# Altium PCB RFFE.PcbDoc (part 3 of 7) (continued)
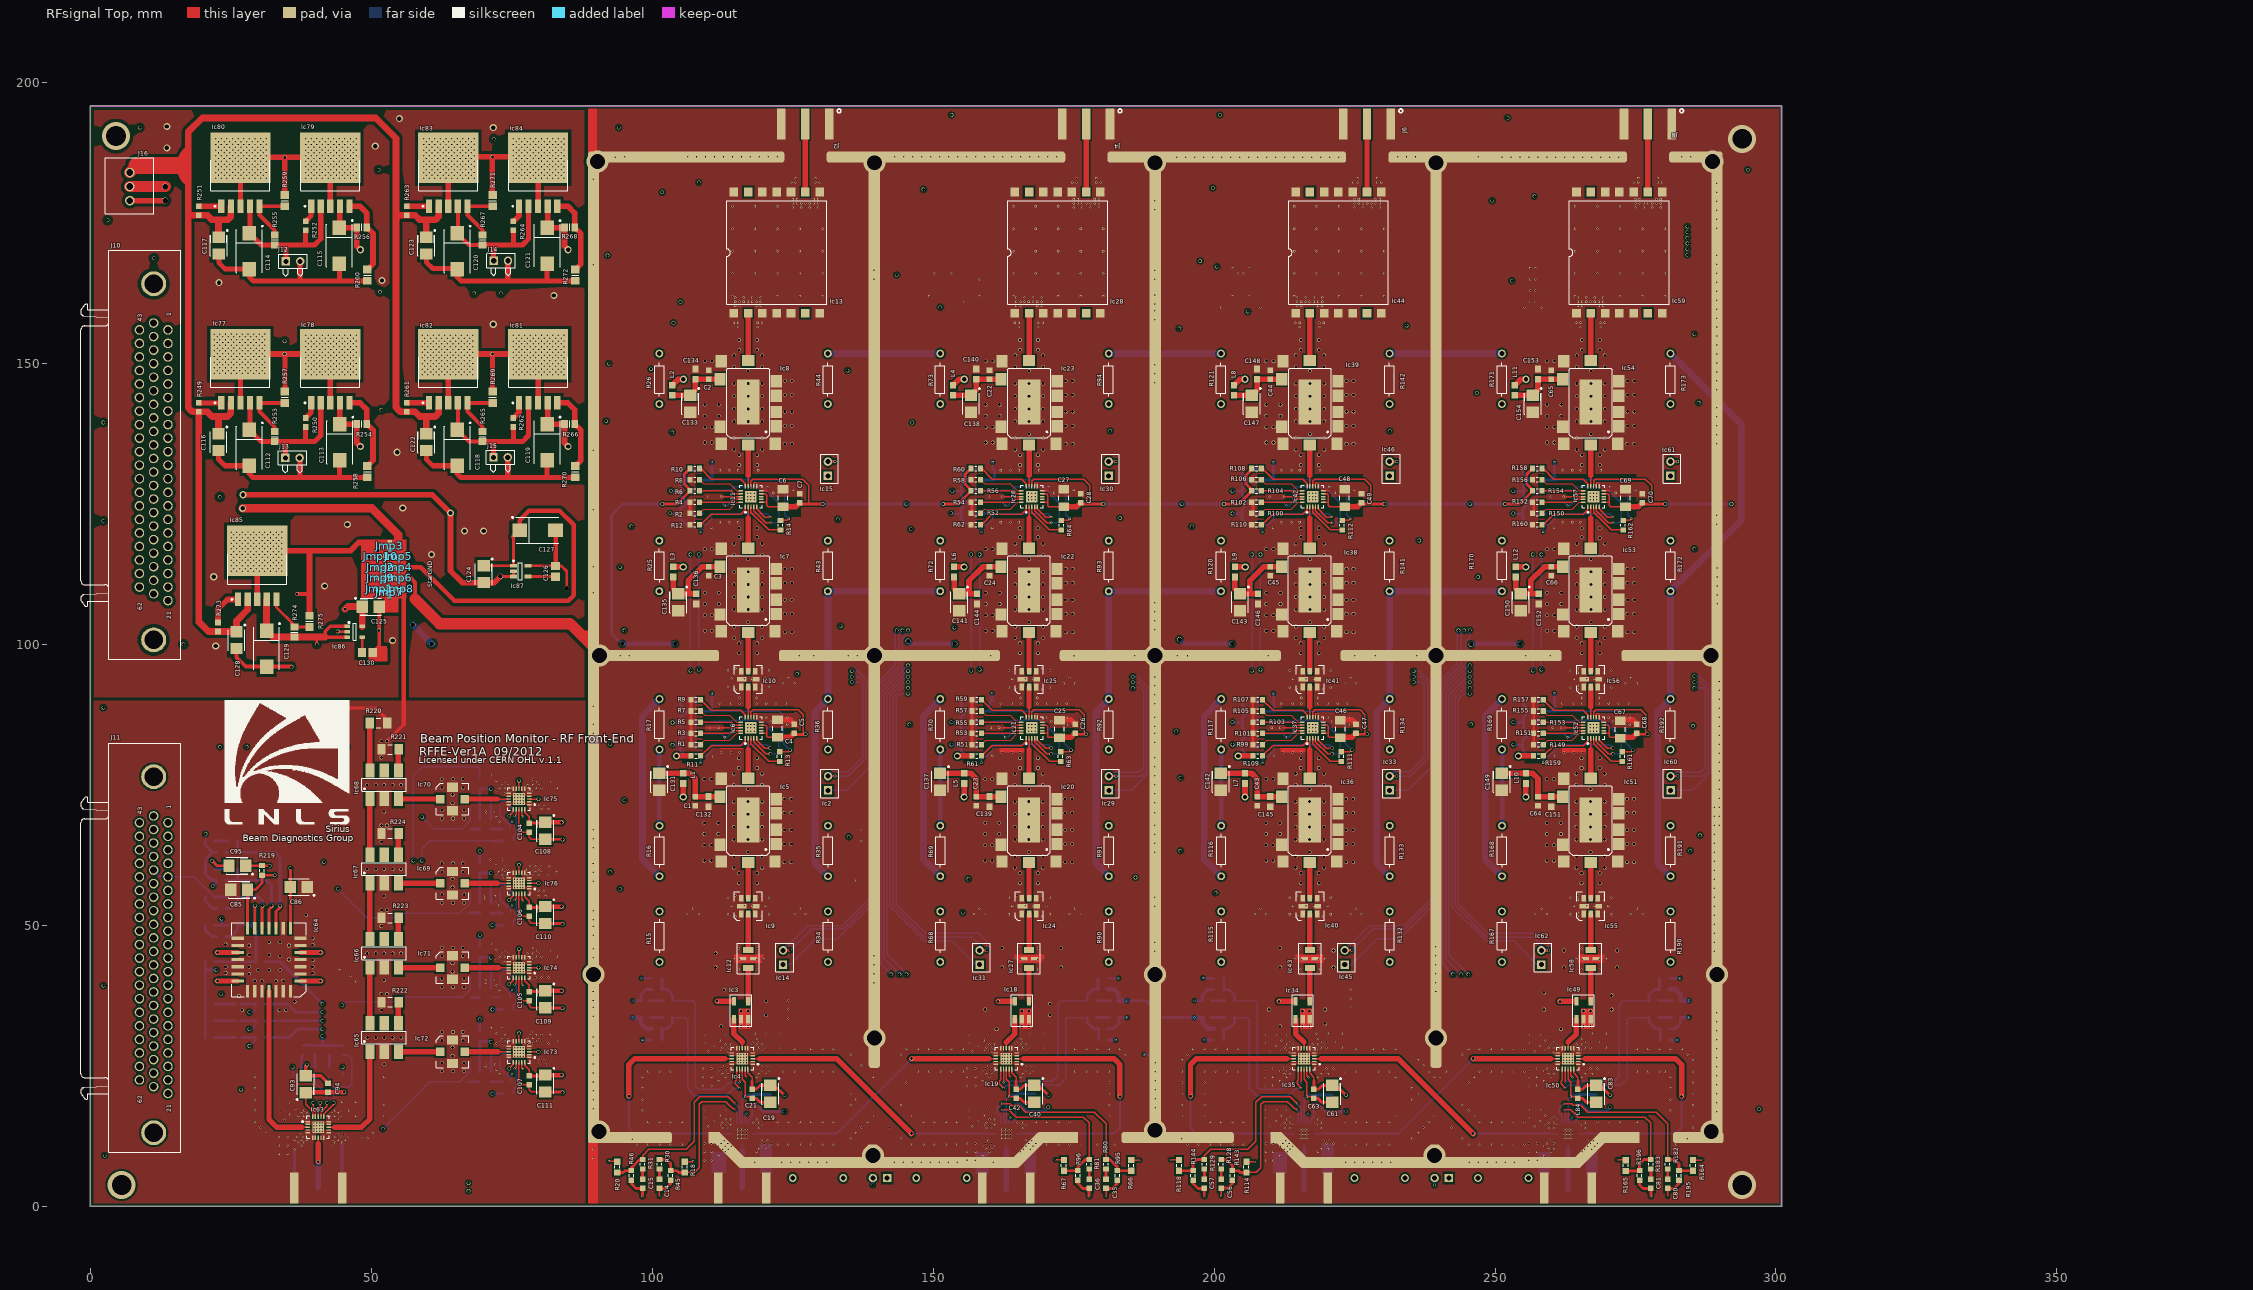
[diagram p0: RFsignal Top view]
## Nets (pads, with @x,y where several pads share a name; then routed paths per layer and width w, separated by ;. In a path a pad name is that pad's centre, name@x,y a point inside that pad or via, vN(x,y) a via of type N, cw(c..) or ccw(c..) an arc to the next point about the centre after c; other vN are vias at no path point) (continued)
NetIc1_3: Ic1.3 Ic19.13 | length 48.8
  RFsignal Top w0.254: 159.9,26.25 Ic19.13@161.155,26.25
  RFsignal Top w0.965: v8(146.12,26.25) 159.9,26.25
  RFsignal Bottom w0.254: Ic1.3@117.845,12.9 119.15,12.9
  RFsignal Bottom w0.381: 119.15,12.9 132.77,12.9 v8(146.12,26.25)
NetIc1_8: Ic1.8 J1.5 | length 7.8
  RFsignal Bottom w0.25: 116,9.845 Ic1.8@116,11.055
  RFsignal Bottom w0.965: J1.5@116.001,3.25 116.001,9.844
NetIc1_13: Ic1.13 Ic4.13 | length 48.8
  RFsignal Top w0.254: 112.9,26.25 Ic4.13@114.155,26.25
  RFsignal Top w0.965: v8@95.79,19.58 95.79,25.19 96.85,26.25 112.9,26.25
  RFsignal Bottom w0.254: 112.85,12.9 Ic1.13@114.155,12.9
  RFsignal Bottom w0.381: v8(95.8,19.57) 95.8,13.95 96.85,12.9 112.85,12.9
NetIc1_16: Ic1.16 R18.1 R30.2 R45.2 | length 30.1
  RFsignal Top w0.254: R18.1@105.75,6 107.5,6 108.3,6.8 108.3,18.1 108.8,18.6 113.05,18.6 113.788,17.862 113.788,17.852 114.352,17.288 114.612,17.288 v3(114.75,17.15)
  RFsignal Top w0.508: R30.2@101.25,8.3 102.495,8.3 103.25,7.545 R45.2@103.25,6.3 104.38,6.3 104.68,6 R18.1@105.75,6
  RFsignal Bottom w0.254: v3(114.75,17.15) 115,16.9 Ic1.16@115,14.745
NetIc1_17: Ic1.17 R20.1 R31.2 R46.2 | length 35.7
  RFsignal Top w0.254: R31.2@98.25,8.3 98.25,8.992 99.358,10.1 106,10.1 107.411,11.511 107.411,18.468 108.432,19.489 113.511,19.489 v3(114.75,18.25)
  RFsignal Top w0.508: R20.1@93.75,6 94.834,6 95.134,6.3 R46.2@96.25,6.3 96.25,6.825 97.725,8.3 R31.2@98.25,8.3
  RFsignal Bottom w0.254: v3(114.75,18.25) 115.5,17.5 Ic1.17@115.5,14.745
NetIc2_1: Ic2.1 J10.38 | length 258.5
  CallTone RF w0.127: J10.38@11.21,118.645 14.337,118.645
  CallTone RF w0.254: 14.337,118.645 16.905,118.645 18.172,119.912 18.172,125.321 21.923,129.072 88.796,129.072 95.492,135.768 95.492,159.783 99.389,163.68 131.191,163.68 139.401,155.47 139.401,103.362 134.183,98.145 ; 134.19,98.138 134.13,98.078 134.13,96.619 v2(135.5,95.25)
  RFsignal Bottom w0.254: Ic2.1@131.25,74 134.49,74 138.53,78.04 138.53,93.259 136.539,95.25 v2(135.5,95.25)
NetIc2_2: Ic2.2 Ic2.3 J10.17 J10.39 | length 507
  CallTone RF w0.127: J10.39@11.21,116.235 14.337,116.235
  CallTone RF w0.254: J10.17@13.75,117.44 16.933,117.44 18.716,119.223 18.716,125.095 22.149,128.528 89.021,128.528 96.036,135.543 96.036,159.557 99.615,163.136 130.966,163.136 138.857,155.245 138.857,103.588 133.518,98.249 133.518,96.232 v2(135.5,94.25) ; 14.337,116.235 17.015,116.235 19.26,118.48 19.26,124.87 22.374,127.984 89.246,127.984 96.58,135.318 96.58,159.332 99.84,162.592 130.741,162.592 138.313,155.02 138.313,103.813 132.821,98.321 132.821,95.929 v2(135.5,93.25)
  RFsignal Bottom w0.254: Ic2.2@131.25,76.54 132.05,77.34 134.887,77.34 137.442,79.895 137.442,92.808 137,93.25 v2(135.5,93.25) ; Ic2.3@132.52,76.56 134.876,76.56 137.986,79.67 137.986,93.033 136.769,94.25 v2(135.5,94.25)
NetIc3_3: Ic3.3 Ic4.8 | length 5.8
  RFsignal Top w0.25: Ic4.8@116,28.095 116,29.18
  RFsignal Top w0.965: Ic3.3@114.5,33.3 114.5,30.68 116,29.18
NetIc3_4: Ic3.4 Ic73.8 | length 42.9
  RFsignal Top w0.254: Ic73.8@76.24,29.315 v2@76.24,30.74
  RFsignal Top w0.965: v2(111.5,36.5) Ic3.4@114.25,36.5
  CallTone RF w0.254: v2(76.25,30.75) 77.7,32.2 109,32.2 111.5,34.7 v2(111.5,36.5)
NetIc3_6: Ic3.6 Ic12.1 | length 5.9
  RFsignal Top w0.965: Ic3.6@117.04,36.45 117.04,42.36 Ic12.1@117.05,42.37
NetIc4_3: Ic4.3 Ic17.13 | length 48.8
  RFsignal Top w0.254: Ic4.3@117.845,26.25 119.1,26.25
  RFsignal Top w0.965: 119.1,26.25 132.74,26.25 v8(146.09,12.9)
  RFsignal Bottom w0.254: 159.85,12.9 Ic17.13@161.155,12.9
  RFsignal Bottom w0.381: v8(146.09,12.9) 159.85,12.9
NetIc4_16: Ic4.16 R21.2 R32.2 R47.2 | length 34.5
  RFsignal Top w0.254: Ic4.16@115,24.405 115,22.5 114.75,22.25 114.75,21.75 v3(115.5,21)
  RFsignal Bottom w0.254: R32.2@103.6,33.57 105.88,33.57 106.25,33.2 106.25,20.95 107.55,19.65 113.15,19.65 114.5,21 v3(115.5,21)
  RFsignal Bottom w0.508: R47.2@101.6,31.57 102.57,31.57 103.6,32.6 R32.2@103.6,33.57 ; R21.2@101.7,29.57 R47.2@101.7,31.47
NetIc4_17: Ic4.17 R19.2 R33.2 R48.2 | length 35.4
  RFsignal Top w0.254: v3(115.5,22) Ic4.17@115.5,24.405
  RFsignal Bottom w0.254: R33.2@103.6,36.57 107.23,36.57 107.65,36.15 107.65,21.3 108.15,20.8 112.4,20.8 113.6,22 v3(115.5,22)
  RFsignal Bottom w0.508: R48.2@101.6,38.57 102.63,38.57 103.6,37.6 R33.2@103.6,36.57 ; R48.2@101.7,38.67 R19.2@101.7,40.57
NetIc5_5: Ic5.5 Ic6.2 | length 7.1
  RFsignal Top w0.254: 117.04,81.25 Ic6.2@117.04,83.305
  RFsignal Top w0.965: Ic5.5@117.04,76.16 117.04,81.25
NetIc5_10: Ic5.10 Ic9.6 | length 6.3
  RFsignal Top w0.965: Ic9.6@117.045,54.86 Ic5.10@117.045,61.155
NetIc6_1: Ic6.1 R11.2 | length 9.6
  RFsignal Top w0.254: R11.2@108.59,80.15 110.44,82 115.75,82 116.54,82.79 Ic6.1@116.54,83.305
NetIc6_3: Ic6.3 R13.2 | length 7.4
  RFsignal Top w0.254: Ic6.3@117.54,83.305 117.54,82.34 120.69,79.19 R13.2@122.66,79.19
NetIc6_4: Ic6.4 Ic11.4 J11.54 R23.2 R28.2 R38.2 R41.2 | length 269.1
  RFsignal Top w0.254: Ic6.4@118.04,83.305 118.04,82.64 120.18,80.5 v2(121,80.5) ; Ic11.4@118.04,124.475 118.04,123.81 120.18,121.67 v4(121,121.67)
  Digital signal w0.254: J11.54@8.67,41.74 2.507,47.903 2.507,83.737 11.992,93.222 66.022,93.222 87.79,114.99 107.24,114.99 v2(108.25,116) 108.25,116.97 112.88,121.6 v4(112.88,124.71) ; v2(108.25,95.5) 112.88,90.87 v4(112.88,83.47)
  RFsignal Bottom w0.254: v2(108.25,95.5) 108.25,97.5 v2(108.25,116) ; R38.2@108.6,84.1 112.25,84.1 v4(112.88,83.47) 113.28,83.47 114,84.19 114,86.3 ; R41.2@108.6,125.27 112.32,125.27 v4(112.88,124.71) 113.35,124.71 114,125.36 114,127.47 ; R23.2@110.6,86.1 110.8,86.3 114,86.3 ; R28.2@110.8,127.47 114,127.47 ; v2(121,80.5) 122.15,80.5 122.45,80.8 122.45,83.3 119.25,86.5 114.2,86.5 114,86.3 ; v4(121,121.67) 122.15,121.67 122.45,121.97 122.45,125.17 119.58,128.04 114.57,128.04 114,127.47
NetIc6_5: Ic6.5 Ic11.5 J11.55 R24.2 R29.2 R39.2 R42.2 | length 245.5
  RFsignal Top w0.254: Ic6.5@118.54,83.305 118.54,82.94 119.98,81.5 v2(121,81.5) ; Ic11.5@118.54,124.475 118.54,124.11 119.98,122.67 v4(121,122.67)
  Digital signal w0.254: J11.55@8.67,39.33 1.963,46.037 1.963,83.962 11.767,93.766 65.797,93.766 88.031,116 v2(106.75,116) 106.75,118.21 v4(108.58,120.04) ; v2(106.75,95.33) 108.58,93.5 v4@108.58,78.92
  RFsignal Bottom w0.254: v2(106.75,95.33) v2(106.75,116) ; v4(108.58,78.87) R39.2@108.58,80.08 ; v4(108.58,120.04) R42.2@108.58,121.25 ; R39.2@108.6,80.1 109.6,80.1 110.6,81.1 R24.2@110.6,82.1 120.4,82.1 v2(121,81.5) ; R42.2@108.6,121.27 109.6,121.27 110.6,122.27 110.6,123.27 120.4,123.27 v4(121,122.67)
NetIc6_14: Ic6.14 Ic10.2 | length 5.4
  RFsignal Top w0.254: Ic6.14@117.04,86.995 117.04,88.9
  RFsignal Top w0.965: 117.04,88.9 Ic10.2@117.04,92.425
NetIc6_15: Ic6.15 R9.2 | length 9.5
  RFsignal Top w0.254: R9.2@108.59,90.15 110.49,88.25 115.75,88.25 116.54,87.46 Ic6.15@116.54,86.995
NetIc6_16: Ic6.16 R7.2 | length 7.9
  RFsignal Top w0.2: R7.2@108.59,88.15 109.332,87.408 113.732,87.408 114.99,86.15 Ic6.16@115.695,86.15
NetIc6_17: Ic6.17 R5.2 | length 7.3
  RFsignal Top w0.254: R5.2@108.59,86.15 114,86.15 114.5,85.65 Ic6.17@115.695,85.65
NetIc6_19: Ic6.19 R3.2 | length 7.3
  RFsignal Top w0.254: R3.2@108.59,84.15 114,84.15 114.5,84.65 Ic6.19@115.695,84.65
NetIc6_20: Ic6.20 R1.2 | length 7.9
  RFsignal Top w0.2: R1.2@108.6,82.15 109.35,82.9 113.75,82.9 ; 113.75,82.91 114.99,84.15 Ic6.20@115.695,84.15
NetIc7_5: Ic7.5 Ic11.2 | length 7.4
  RFsignal Top w0.254: 117.04,122.42 Ic11.2@117.04,124.475
  RFsignal Top w0.965: Ic7.5@117.04,117.11 117.04,122.42
NetIc7_10: Ic7.10 Ic10.6 | length 6.9
  RFsignal Top w0.965: Ic10.6@117.04,95.255 Ic7.10@117.04,102.11
NetIc8_5: Ic8.5 Ic13.2 | length 8.4
  RFsignal Top w0.965: Ic8.5@117.05,150.52 Ic13.2@117.05,158.95
NetIc8_10: Ic8.10 Ic11.14 | length 7.3
  RFsignal Top w0.254: Ic11.14@117.04,128.165 117.04,130.07
  RFsignal Top w0.965: 117.05,130.08 Ic8.10@117.05,135.52
NetIc9_2: Ic9.2 Ic12.3 | length 6.4
  RFsignal Top w0.965: Ic12.3@117.05,45.62 Ic9.2@117.05,52.035
NetIc11_1: Ic11.1 R12.2 | length 9.6
  RFsignal Top w0.254: R12.2@108.59,121.32 110.44,123.17 115.75,123.17 116.54,123.96 Ic11.1@116.54,124.475
NetIc11_3: Ic11.3 R14.2 | length 7.5
  RFsignal Top w0.254: Ic11.3@117.54,124.475 117.54,123.51 120.67,120.38 R14.2@122.8,120.38
NetIc11_15: Ic11.15 R10.2 | length 9.5
  RFsignal Top w0.254: R10.2@108.59,131.32 110.49,129.42 115.75,129.42 116.54,128.63 Ic11.15@116.54,128.165
NetIc11_16: Ic11.16 R8.2 | length 8.1
  RFsignal Top w0.2: R8.2@108.39,129.32 109.132,128.578 113.732,128.578 114.99,127.32 Ic11.16@115.695,127.32
NetIc11_17: Ic11.17 R6.2 | length 7.3
  RFsignal Top w0.254: R6.2@108.59,127.32 114,127.32 114.5,126.82 Ic11.17@115.695,126.82
NetIc11_19: Ic11.19 R4.2 | length 7.3
  RFsignal Top w0.254: R4.2@108.59,125.32 114,125.32 114.5,125.82 Ic11.19@115.695,125.82
NetIc11_20: Ic11.20 R2.2 | length 8.1
  RFsignal Top w0.2: R2.2@108.39,123.32 109.14,124.07 113.75,124.07 ; 113.75,124.08 114.99,125.32 Ic11.20@115.695,125.32
NetIc13_9: Ic13.9 J2.5 | length 12.1
  RFsignal Top w0.965: Ic13.9@127.21,180.54 J2.5@127.21,192.65
NetIc14_1: Ic14.1 J10.15 | length 290.7
  CallTone RF w0.254: J10.15@14.103,122.26 16.54,124.697 16.54,126.132 21.208,130.8 88.08,130.8 93.764,136.484 93.764,160.363 98.809,165.408 131.771,165.408 141.033,156.146 141.033,107.055 145.5,102.588 v2(145.5,102.5)
  RFsignal Bottom w0.254: Ic14.1@123.25,43 124.42,43 129.04,47.62 133.029,47.62 140.162,54.753 140.162,91.662 144.489,95.989 144.489,100.957 145.5,101.968 v2(145.5,102.5)
NetIc14_2: Ic14.2 Ic14.3 J10.16 J10.37 | length 579
  CallTone RF w0.127: J10.37@11.21,121.055 14.337,121.055
  CallTone RF w0.254: J10.16@13.75,119.85 16.07,119.85 17.628,121.408 17.628,125.546 21.698,129.616 88.57,129.616 94.948,135.994 94.948,160.008 99.164,164.224 131.417,164.224 139.945,155.696 139.945,106.055 v2(143.5,102.5) ; 14.337,121.055 15.815,121.055 17.084,122.324 17.084,125.771 21.473,130.16 88.345,130.16 94.404,136.219 94.404,160.233 98.939,164.768 131.642,164.768 140.489,155.921 140.489,106.511 v2(144.5,102.5)
  RFsignal Bottom w0.254: Ic14.2@123.25,45.54 127.64,49.93 133.8,49.93 139.074,55.204 139.074,92.113 143.25,96.289 143.25,102.25 v2(143.5,102.5) ; Ic14.3@124.52,45.56 128.346,49.386 134.025,49.386 139.618,54.979 139.618,91.887 143.85,96.119 143.85,101.85 v2(144.5,102.5)
NetIc15_1: Ic15.1 J10.18 | length 188.2
  CallTone RF w0.254: J10.18@13.75,115.03 16.91,115.03 19.804,117.924 19.804,120.071 22.523,122.79 28.281,122.79 32.931,127.44 89.472,127.44 97.124,135.092 97.124,156.105 100.419,159.4 133.163,159.4 137.769,154.794 137.769,131.75 136.019,130 Ic15.1@131.23,130
NetIc15_2: Ic15.2 Ic15.3 J10.19 J10.40 | length 369.8
  CallTone RF w0.127: J10.40@11.21,113.825 14.337,113.825
  CallTone RF w0.254: J10.19@13.75,112.62 16.99,112.62 20.892,116.522 20.892,119.62 22.974,121.702 28.732,121.702 33.382,126.352 89.922,126.352 98.212,134.642 98.212,155.655 100.87,158.313 132.687,158.313 136.681,154.319 136.681,134.5 135.556,133.375 132.065,133.375 Ic15.2@131.23,132.54 ; 14.337,113.825 16.89,113.825 20.348,117.283 20.348,119.845 22.749,122.246 28.507,122.246 33.157,126.896 89.697,126.896 97.668,134.867 97.668,155.88 100.645,158.856 132.913,158.856 137.225,154.544 137.225,134.125 135.66,132.56 Ic15.3@132.5,132.56
NetIc16_1: Ic16.1 J10.11 | length 320
  CallTone RF w0.254: J10.11@13.907,131.743 19.329,131.743 26.204,138.618 84.986,138.618 89.602,143.234 89.602,161.441 95.874,167.713 131.774,167.713 142.665,156.822 142.665,108.23 148.702,102.193 148.702,97.452 v2(145.5,94.25)
  Digital signal w0.254: Ic16.1@141.79,5 143.35,6.56 143.35,7.326 143.597,7.573 143.597,8.027 143.35,8.274 143.35,30.8 145.95,33.4 145.95,40.55 v2(145.25,41.25)
  RFsignal Bottom w0.254: v2(145.25,41.25) 141.794,44.706 141.794,91.066 144.978,94.25 v2(145.5,94.25)
NetIc16_2: Ic16.2 Ic16.3 J10.12 J10.33 | length 647.6
  CallTone RF w0.127: J10.33@11.21,130.695 14.337,130.695
  CallTone RF w0.254: J10.12@13.75,129.49 15.74,129.49 16.905,130.655 19.78,130.655 26.655,137.53 85.437,137.53 90.69,142.783 90.69,160.99 96.325,166.625 131.324,166.625 141.577,156.372 141.577,107.624 147.488,101.713 147.488,98.238 v2(145.5,96.25) ; 14.337,130.695 15.195,130.695 15.699,131.199 19.555,131.199 26.43,138.074 85.211,138.074 90.146,143.009 90.146,161.215 96.1,167.169 131.549,167.169 142.121,156.597 142.121,107.94 148.095,101.966 148.095,97.845 v2(145.5,95.25)
  Digital signal w0.254: Ic16.3@139.23,3.73 138.144,3.73 135.75,6.124 135.75,10.048 141.85,16.148 141.85,31.7 143.25,33.1 143.25,40.5 v2(142.5,41.25) ; Ic16.2@139.25,5 139,4.75 137.794,4.75 136.294,6.25 136.294,9.922 142.65,16.278 142.65,31.3 144.55,33.2 144.55,40.7 v2(144,41.25)
  RFsignal Bottom w0.254: v2(142.5,41.25) 140.706,43.044 140.706,91.456 v2(145.5,96.25) ; v2(144,41.25) 141.25,44 141.25,91.237 145.263,95.25 v2@145.495,95.25
NetIc17_3: Ic17.3 Ic19.3 | length 48.8
  RFsignal Top w0.254: Ic19.3@164.845,26.25 166.1,26.25
  RFsignal Top w0.965: 166.1,26.25 182.13,26.25 183.21,25.17 v8(183.21,19.52)
  RFsignal Bottom w0.254: Ic17.3@164.845,12.9 166.15,12.9
  RFsignal Bottom w0.381: 166.15,12.9 182.13,12.9 183.21,13.98 v8(183.21,19.52)
NetIc17_8: Ic17.8 J3.5 | length 8.1
  RFsignal Bottom w0.25: 163,9.845 Ic17.8@163,11.055
  RFsignal Bottom w0.965: J3.5@163.001,3 J3.5@163.001,3.25 ; J3.5@163.001,3.25 163.001,9.844
NetIc17_16: Ic17.16 R66.1 R80.2 R95.2 | length 36.3
  RFsignal Top w0.254: v3(162.25,18.25) 163.622,18.25 163.934,17.938 165.275,17.938 166.475,16.738 178.662,16.738 180.75,14.65 R80.2@180.75,8.3
  RFsignal Top w0.508: R80.2@180.75,8.3 181.45,8.3 182.75,7 R95.2@182.75,6.3 184.95,6.3 R66.1@185.25,6
  RFsignal Bottom w0.254: Ic17.16@162,14.745 162,15.95 161.4,16.55 161.4,17.4 v3(162.25,18.25)
NetIc17_17: Ic17.17 R67.1 R81.2 R96.2 | length 31.2
  RFsignal Top w0.254: v3(162.25,17.15) 163.465,17.15 164.766,15.849 176.701,15.849 177.75,14.8 R81.2@177.75,8.3
  RFsignal Top w0.508: R67.1@173.25,6.3 175.75,6.3 175.75,7 177.05,8.3 R81.2@177.75,8.3
  RFsignal Bottom w0.254: v3(162.25,17.15) 162.5,16.9 Ic17.17@162.5,14.745
NetIc18_3: Ic18.3 Ic19.8 | length 5.8
  RFsignal Top w0.25: Ic19.8@163,28.095 163,29.18
  RFsignal Top w0.965: 163,29.18 164.5,30.68 Ic18.3@164.5,33.3
NetIc18_4: Ic18.4 Ic74.8 | length 94.3
  RFsignal Top w0.254: Ic74.8@76.24,44.315 v2@76.24,45.74
  RFsignal Top w0.965: v2(161.54,36.45) Ic18.4@164.25,36.45
  CallTone RF w0.2: v2(76.25,45.75) 77.45,46.95 141.4,46.95 151.9,36.45 v2(161.54,36.45)
NetIc18_6: Ic18.6 Ic27.1 | length 5.9
  RFsignal Top w0.965: Ic18.6@167.04,36.45 167.04,42.36 Ic27.1@167.05,42.37
NetIc19_16: Ic19.16 R71.2 R82.2 R97.2 | length 35.3
  RFsignal Top w0.254: Ic19.16@162,24.405 162,22.5 161.75,22.25 161.75,21.75 v3(162.5,21)
  RFsignal Bottom w0.254: v3(162.5,21) 163.05,21.55 172.4,21.55 173.55,22.7 173.55,33.15 173.97,33.57 R82.2@177.4,33.57
  RFsignal Bottom w0.508: R82.2@177.4,33.57 177.4,32.75 178.58,31.57 R97.2@179.4,31.57 ; R71.2@179.45,29.57 R97.2@179.45,31.52
NetIc19_17: Ic19.17 R65.2 R83.2 R98.2 | length 36.1
  RFsignal Top w0.254: v3(162.5,22) Ic19.17@162.5,24.405
  RFsignal Bottom w0.254: v3(162.5,22) 162.699,22.199 171.199,22.199 172.15,23.15 172.15,35.9 172.82,36.57 R83.2@177.4,36.57
  RFsignal Bottom w0.508: R83.2@177.4,36.57 177.4,37.6 178.37,38.57 R98.2@179.4,38.57 ; R98.2@179.3,38.67 R65.2@179.3,40.57
NetIc20_5: Ic20.5 Ic21.2 | length 7.1
  RFsignal Top w0.254: 167.04,81.25 Ic21.2@167.04,83.305
  RFsignal Top w0.965: Ic20.5@167.04,76.16 167.04,81.25
NetIc20_10: Ic20.10 Ic24.6 | length 6.3
  RFsignal Top w0.965: Ic24.6@167.045,54.83 Ic20.10@167.045,61.155
NetIc21_1: Ic21.1 R61.2 | length 9.6
  RFsignal Top w0.254: R61.2@158.59,80.15 160.44,82 165.75,82 166.54,82.79 Ic21.1@166.54,83.305
NetIc21_3: Ic21.3 R63.2 | length 7.4
  RFsignal Top w0.254: Ic21.3@167.54,83.305 167.54,82.34 170.69,79.19 R63.2@172.66,79.19
NetIc21_4: Ic21.4 Ic26.4 J11.51 R75.2 R78.2 R85.2 R88.2 | length 310
  RFsignal Top w0.254: Ic21.4@168.04,83.305 168.04,82.64 170.18,80.5 v2(171,80.5) ; Ic26.4@168.04,124.475 168.04,123.81 170.18,121.67 v4(171,121.67)
  Digital signal w0.254: J11.51@8.67,48.97 4.139,53.501 4.139,83.061 12.668,91.59 69.75,91.59 89.652,111.492 119.752,111.492 124.252,115.992 152.08,115.992 153.092,114.98 157.46,114.98 158.25,115.77 v2(158.25,116) 158.25,116.97 162.88,121.6 v4(162.88,124.71) ; v2(158.25,95.5) 162.78,90.97 v4(162.78,83.47)
  RFsignal Bottom w0.254: v2(158.25,95.5) v2(158.25,116) ; R85.2@158.5,84.1 162.25,84.1 162.88,83.47 163.28,83.47 163.9,84.09 163.9,86.3 ; R88.2@158.6,125.27 162.32,125.27 v4(162.88,124.71) 163.35,124.71 164,125.36 164,127.47 ; R75.2@160.7,86.3 163.9,86.3 ; R78.2@160.8,127.47 164,127.47 ; v2(171,80.5) 172.15,80.5 172.45,80.8 172.45,83.3 169.25,86.5 164.1,86.5 163.9,86.3 ; v4(171,121.67) 172.15,121.67 172.45,121.97 172.45,125.17 169.58,128.04 164.57,128.04 164,127.47
NetIc21_5: Ic21.5 Ic26.5 J11.52 R76.2 R79.2 R86.2 R89.2 | length 285.9
  RFsignal Top w0.254: Ic21.5@168.54,83.305 168.54,82.94 169.98,81.5 v2(171,81.5) ; Ic26.5@168.54,124.475 168.54,124.11 169.98,122.67 v4(171,122.67)
  Digital signal w0.254: J11.52@8.67,46.56 3.595,51.635 3.595,83.286 12.443,92.134 69.511,92.134 89.413,112.036 112.189,112.036 113.982,113.829 121.306,113.829 124.023,116.546 153.64,116.546 154.186,116 v2(156.75,116) 156.75,118.21 v4(158.58,120.04) ; v2(156.75,95.33) 158.58,93.5 v4(158.58,78.92)
  RFsignal Bottom w0.254: v2(156.75,95.33) v2(156.75,116) ; v4(158.58,78.92) R86.2@158.58,80.08 ; v4(158.58,120.04) R89.2@158.58,121.25 ; R86.2@158.6,80.1 159.5,80.1 160.5,81.1 R76.2@160.5,82.1 ; R89.2@158.6,121.27 159.6,121.27 160.6,122.27 160.6,123.27 170.4,123.27 v4(171,122.67) ; R76.2@160.6,82.1 170.4,82.1 v2(171,81.5)
  RFsignal Bottom w0.508: R86.2@158.6,80.1 R86.2@158.6,80.15
NetIc21_14: Ic21.14 Ic25.2 | length 5.4
  RFsignal Top w0.254: Ic21.14@167.04,86.995 167.04,88.9
  RFsignal Top w0.965: 167.045,88.905 Ic25.2@167.045,92.41
NetIc21_15: Ic21.15 R59.2 | length 9.5
  RFsignal Top w0.254: R59.2@158.59,90.15 160.49,88.25 165.75,88.25 166.54,87.46 Ic21.15@166.54,86.995
NetIc21_16: Ic21.16 R57.2 | length 7.9
  RFsignal Top w0.2: R57.2@158.59,88.15 159.332,87.408 163.732,87.408 164.99,86.15 Ic21.16@165.695,86.15
NetIc21_17: Ic21.17 R55.2 | length 7.3
  RFsignal Top w0.254: R55.2@158.59,86.15 164,86.15 164.5,85.65 Ic21.17@165.695,85.65
NetIc21_19: Ic21.19 R53.2 | length 7.3
  RFsignal Top w0.254: R53.2@158.59,84.15 164,84.15 164.5,84.65 Ic21.19@165.695,84.65
NetIc21_20: Ic21.20 R51.2 | length 7.9
  RFsignal Top w0.2: R51.2@158.6,82.15 159.35,82.9 163.75,82.9 ; 163.75,82.91 164.99,84.15 Ic21.20@165.695,84.15
NetIc22_5: Ic22.5 Ic26.2 | length 7.4
  RFsignal Top w0.254: 167.04,122.42 Ic26.2@167.04,124.475
  RFsignal Top w0.965: Ic22.5@167.04,117.11 167.04,122.42
NetIc22_10: Ic22.10 Ic25.6 | length 6.9
  RFsignal Top w0.965: Ic25.6@167.045,95.23 Ic22.10@167.045,102.105
NetIc23_5: Ic23.5 Ic28.2 | length 8.4
  RFsignal Top w0.965: Ic23.5@167.05,150.52 Ic28.2@167.05,158.95
NetIc23_10: Ic23.10 Ic26.14 | length 7.3
  RFsignal Top w0.254: Ic26.14@167.04,128.165 167.04,130.07
  RFsignal Top w0.965: 167.05,130.08 Ic23.10@167.05,135.52
NetIc24_2: Ic24.2 Ic27.3 | length 6.4
  RFsignal Top w0.965: Ic27.3@167.05,45.62 Ic24.2@167.05,52.005
NetIc26_1: Ic26.1 R62.2 | length 9.6
  RFsignal Top w0.254: R62.2@158.59,121.32 160.44,123.17 165.75,123.17 166.54,123.96 Ic26.1@166.54,124.475
NetIc26_3: Ic26.3 R64.2 | length 7.5
  RFsignal Top w0.254: Ic26.3@167.54,124.475 167.54,123.51 170.67,120.38 R64.2@172.8,120.38
NetIc26_15: Ic26.15 R60.2 | length 9.5
  RFsignal Top w0.254: R60.2@158.59,131.32 160.49,129.42 165.75,129.42 166.54,128.63 Ic26.15@166.54,128.165
NetIc26_16: Ic26.16 R58.2 | length 8.1
  RFsignal Top w0.2: R58.2@158.39,129.32 159.132,128.578 163.732,128.578 164.99,127.32 Ic26.16@165.695,127.32
NetIc26_17: Ic26.17 R56.2 | length 7.3
  RFsignal Top w0.254: R56.2@158.59,127.32 164,127.32 164.5,126.82 Ic26.17@165.695,126.82
NetIc26_19: Ic26.19 R54.2 | length 7.3
  RFsignal Top w0.254: R54.2@158.59,125.32 164,125.32 164.5,125.82 Ic26.19@165.695,125.82
NetIc26_20: Ic26.20 R52.2 | length 8.1
  RFsignal Top w0.2: R52.2@158.39,123.32 159.14,124.07 163.74,124.07 164.99,125.32 Ic26.20@165.695,125.32
NetIc28_9: Ic28.9 J4.5 | length 12.1
  RFsignal Top w0.965: Ic28.9@177.21,180.54 J4.5@177.21,192.65
NetIc29_1: Ic29.1 J10.28 | length 300.3
  CallTone RF w0.127: J10.28@11.21,142.745 14.337,142.745
  CallTone RF w0.254: 14.337,142.745 17.745,142.745 19,144 47.704,144 50.644,146.94 50.644,154.991 68.965,173.312 69.996,173.312 70.092,173.408 183.814,173.408 187.423,169.799 187.423,102.889 184.255,99.721 184.255,94.75 184.684,94.321 v2@185.505,94.321
  RFsignal Bottom w0.254: Ic29.1@181.25,74 185.22,74 188.53,77.31 188.53,92.147 186.427,94.25 v2(185.5,94.25)
NetIc29_2: Ic29.2 Ic29.3 J10.7 J10.29 | length 592
  CallTone RF w0.127: J10.29@11.21,140.335 14.337,140.335
  CallTone RF w0.254: J10.7@13.75,141.54 17.54,141.54 19.456,143.456 47.929,143.456 51.284,146.811 51.284,154.861 69.191,172.768 183.684,172.768 186.879,169.573 186.879,103.196 183.505,99.822 183.505,94 184.255,93.25 v2(185.5,93.25) v2@185.505,93.25 ; 14.337,140.335 17.46,140.335 20.037,142.912 48.155,142.912 51.828,146.585 51.828,154.636 69.416,172.224 183.459,172.224 186.335,169.348 186.335,103.5 182.755,99.92 182.755,93.25 183.755,92.25 v2(185.505,92.25)
  RFsignal Bottom w0.254: Ic29.2@181.557,76.54 182.244,77.227 186.599,77.227 187.442,78.07 187.442,91.75 186.942,92.25 v2(185.505,92.25) ; Ic29.3@182.52,76.56 187.011,76.56 187.986,77.535 187.986,91.947 186.683,93.25 v2(185.5,93.25)
NetIc30_1: Ic30.1 J10.8 | length 236.3
  CallTone RF w0.254: J10.8@13.75,139.13 17.63,139.13 20.868,142.368 48.38,142.368 52.372,146.36 52.372,154.411 69.641,171.68 79.92,171.68 82.65,168.95 86.411,168.95 89.141,171.68 183.234,171.68 185.791,169.123 185.791,131.541 184.25,130 Ic30.1@181.23,130
NetIc30_2: Ic30.2 Ic30.3 J10.9 J10.30 | length 465.8
  CallTone RF w0.127: J10.30@11.21,137.925 14.337,137.925
  CallTone RF w0.254: J10.9@13.75,136.72 17.962,136.72 22.522,141.28 48.831,141.28 53.46,145.909 53.46,153.96 70.092,170.592 79.469,170.592 82.199,167.862 86.862,167.862 89.592,170.592 182.783,170.592 184.703,168.672 184.703,133.953 183.977,133.227 182.224,133.227 181.537,132.54 Ic30.2@181.23,132.54 ; 14.337,137.925 17.8,137.925 21.699,141.824 48.605,141.824 52.916,146.135 52.916,154.185 69.867,171.136 79.695,171.136 82.425,168.406 86.637,168.406 89.367,171.136 183.008,171.136 185.247,168.897 185.247,133.5 184.307,132.56 Ic30.3@182.5,132.56
NetIc31_1: Ic31.1 J10.32 | length 292.3
  CallTone RF w0.127: J10.32@11.21,133.105 14.337,133.105
  CallTone RF w0.254: 14.337,133.105 15.52,133.105 16.338,132.287 19.104,132.287 25.979,139.162 84.761,139.162 89.058,143.459 89.058,161.666 95.649,168.257 132,168.257 143.209,157.048 143.209,108.421 149.309,102.321 149.309,97.059 v2(145.5,93.25)
  RFsignal Bottom w0.254: v2(145.5,93.25) 144.726,93.25 142.338,90.862 142.338,53.309 148.397,47.25 153.3,47.25 157.55,43 Ic31.1@158.25,43
NetIc31_2: Ic31.2 Ic31.3 J10.10 J10.31 | length 584.9
  CallTone RF w0.127: J10.31@11.21,135.515 14.337,135.515
  CallTone RF w0.254: J10.10@13.75,134.31 15.565,134.31 17.044,132.831 18.879,132.831 25.754,139.706 84.535,139.706 88.514,143.685 88.514,161.891 95.424,168.801 132.225,168.801 143.753,157.273 143.753,108.754 149.916,102.591 149.916,96.666 v2(145.5,92.25) ; 14.337,135.515 15.485,135.515 17.625,133.375 18.653,133.375 25.528,140.25 84.31,140.25 87.97,143.91 87.97,162.117 95.198,169.345 132.45,169.345 144.297,157.498 144.297,109.009 150.5,102.806 150.5,96.25 v2(145.5,91.25)
  RFsignal Bottom w0.254: v2(145.5,91.25) 144.176,91.25 143.426,90.5 143.426,53.76 148.627,48.559 158.043,48.559 159.52,47.082 Ic31.3@159.52,45.56 ; v2(145.5,92.25) 144.506,92.25 142.882,90.626 142.882,53.535 148.511,47.906 156.9,47.906 158.25,46.556 Ic31.2@158.25,45.54
NetIc32_3: Ic32.3 Ic50.13 | length 48.8
  RFsignal Top w0.254: 259.9,26.25 Ic50.13@261.155,26.25
  RFsignal Top w0.965: v8(246.12,26.25) 259.9,26.25
  RFsignal Bottom w0.254: Ic32.3@217.845,12.9 219.15,12.9
  RFsignal Bottom w0.381: 219.15,12.9 232.77,12.9 v8(246.12,26.25)
NetIc32_8: Ic32.8 J5.5 | length 8.1
  RFsignal Bottom w0.25: 216,9.845 Ic32.8@216,11.055
  RFsignal Bottom w0.965: J5.5@216.001,3 J5.5@216.001,3.25 216.001,9.844
NetIc32_13: Ic32.13 Ic35.13 | length 48.8
  RFsignal Top w0.254: 212.9,26.25 Ic35.13@214.155,26.25
  RFsignal Top w0.965: v8@195.79,19.58 195.79,25.19 196.85,26.25 212.9,26.25
  RFsignal Bottom w0.254: 212.85,12.9 Ic32.13@214.155,12.9
  RFsignal Bottom w0.381: v8(195.8,19.57) 195.8,13.95 196.85,12.9 212.85,12.9
NetIc32_16: Ic32.16 R114.1 R128.2 R143.2 | length 29.9
  RFsignal Top w0.254: R114.1@205.75,6 207.5,6 208.3,6.8 208.3,18.1 208.8,18.6 213.05,18.6 213.788,17.862 ; 213.788,17.852 214.351,17.288 214.612,17.288 v3(214.75,17.15)
  RFsignal Top w0.508: R128.2@201.25,8.3 202.2,8.3 203.25,7.25 R143.2@203.25,6.3 204.35,6.3 204.65,6 205.45,6 R114.1@205.6,6.15
  RFsignal Bottom w0.254: v3(214.75,17.15) 215,16.9 Ic32.16@215,14.745
NetIc32_17: Ic32.17 R118.1 R129.2 R144.2 | length 36
  RFsignal Top w0.254: R129.2@198.25,8.3 198.25,8.992 199.358,10.1 206,10.1 207.411,11.511 207.411,18.468 208.432,19.489 213.511,19.489 v3(214.75,18.25)
  RFsignal Top w0.508: R118.1@193.75,6.3 R144.2@196.25,6.3 196.25,7.545 197.005,8.3 R129.2@198.25,8.3
  RFsignal Bottom w0.254: v3(214.75,18.25) 215.5,17.5 Ic32.17@215.5,14.745
NetIc33_1: Ic33.1 J10.22 | length 354.3
  CallTone RF w0.254: J10.22@11.21,157.205 11.272,157.267 14.361,157.267 19.662,162.568 42.802,162.568 50.533,170.3 61.337,170.3 67.709,176.672 102.363,176.672 106.809,181.118 144.287,181.118 146.06,179.345 149.082,179.345 151.146,181.409 196.186,181.409 197.675,179.92 202.027,179.92 203.225,181.118 233.779,181.118 234.018,180.879 234.074,180.879 239.401,175.553 239.401,103.362 233.935,97.896 233.935,96.815 v2(235.5,95.25)
  RFsignal Bottom w0.254: Ic33.1@231.25,74 234.49,74 238.53,78.04 238.53,93.259 236.539,95.25 v2(235.5,95.25)